# Altium PCB eRTM15_Baikal.PcbDoc (part 6 of 7) (continued)
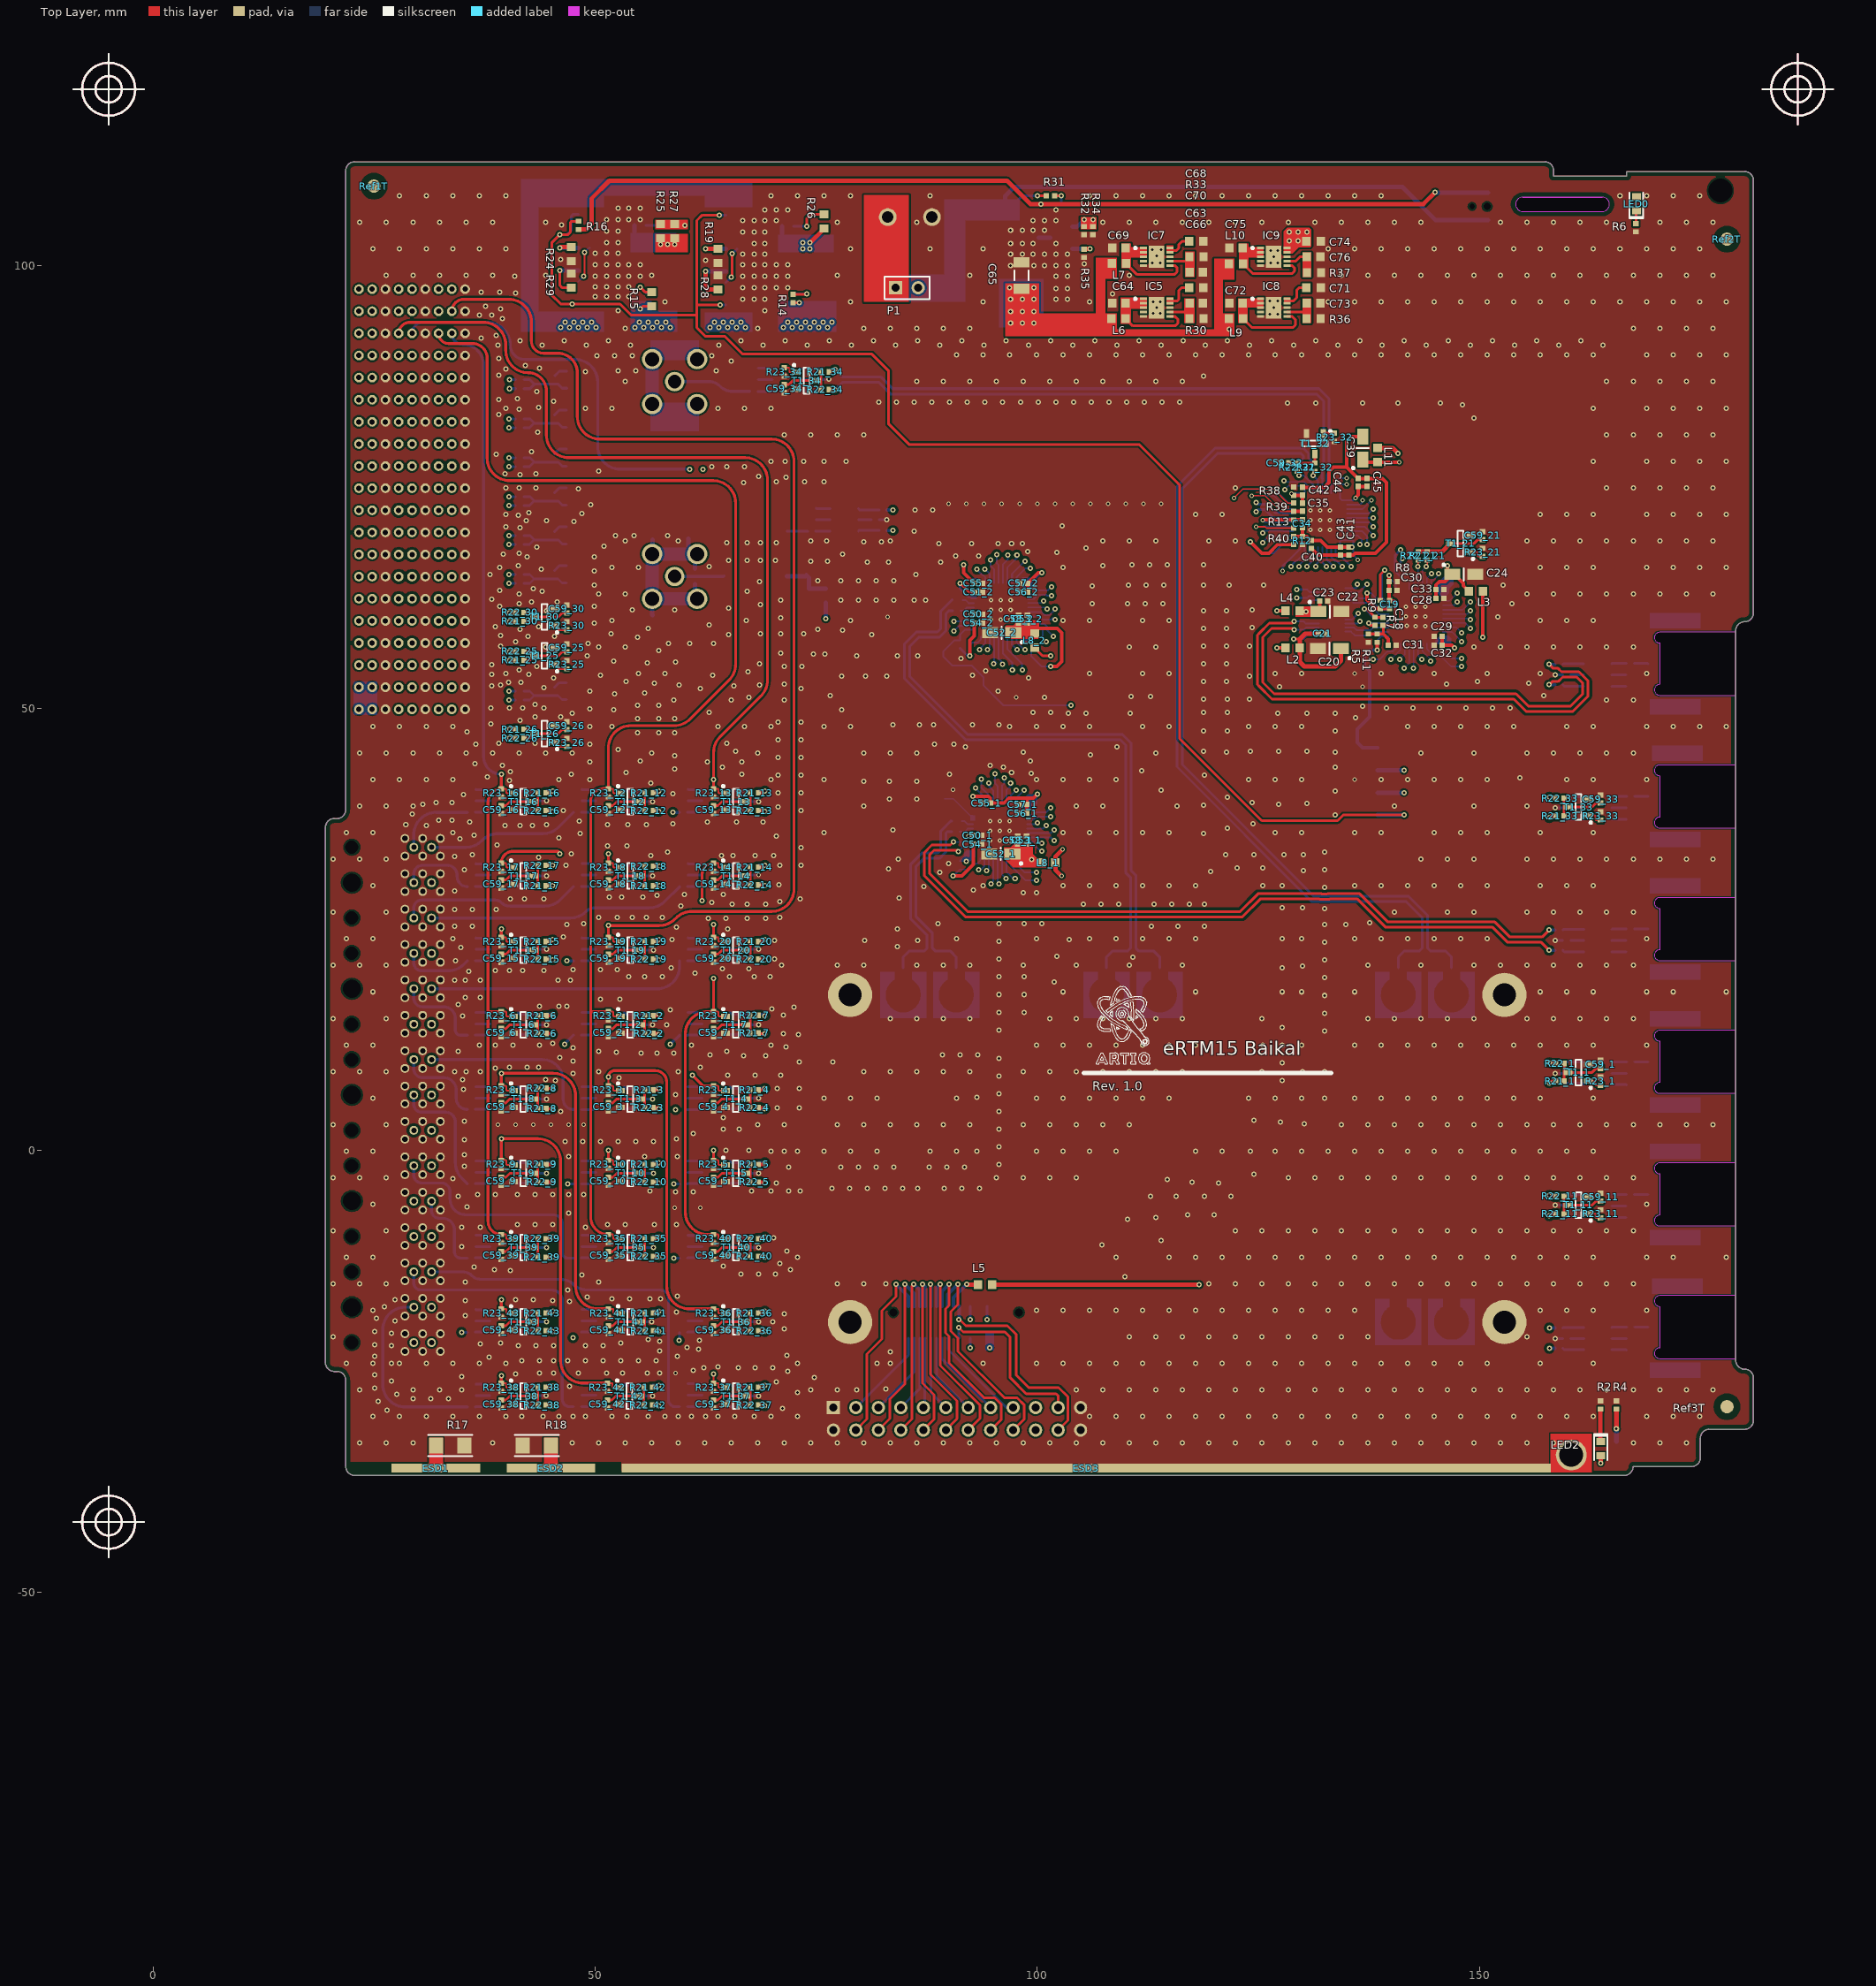
[diagram p0: Top Layer view]
## Nets (pads, with @x,y where several pads share a name; then routed paths per layer and width w, separated by ;. In a path a pad name is that pad's centre, name@x,y a point inside that pad or via, vN(x,y) a via of type N, cw(c..) or ccw(c..) an arc to the next point about the centre after c; other vN are vias at no path point) (continued)
  Bottom Layer w0.2: U2.28@135.05,70 136.7,70 137.3,69.4 v1(137.3,68.5)
  Bottom Layer w0.381: C12_31.1@56.555,-20.5 v1(57.195,-20.5)
Q2_4_P: C7_31.1 R21_41.1 U2.29 | length 166.2
  Top Layer w0.381: R21_41.1@56.57,-18.4 v1@57.1,-18.4
  RF_Layer_1 w0.16: v1(57.195,-18.2) 58.115,-19.12 62.036,-19.12 64.506,-21.59 71.12,-21.59 75.971,-16.739 75.971,-11.824 77.003,-10.792 104.219,-10.792 123.012,8.001 123.012,31.351 123.28,31.618 123.28,32.701 116.812,39.17 116.812,55.156 117.869,56.213 126.725,56.213 126.818,56.12 127.382,56.12 127.475,56.213 132.118,56.213 134.645,58.74 134.645,64.058 136.88,66.292 136.88,67.011 136.677,67.214 136.677,67.945 136.5,68.122 v1(136.5,68.5)
  Bottom Layer w0.2: U2.29@135.05,69.5 136.2,69.5 136.7,69 136.7,68.7 v1(136.5,68.5)
  Bottom Layer w0.381: C7_31.1@56.555,-18.2 v1(57.195,-18.2)
Q2_5_1_N: C12_6.1 R22_3.1 U3_1.26 | length 83.4
  Top Layer w0.381: R22_3.1@56.57,4.8 57.095,4.8 v1(57.195,4.7)
  RF_Layer_1 w0.16: v1(57.195,4.7) 56.775,5.12 56.218,5.12 55.698,5.64 54.509,5.64 53.64,6.509 53.64,16.291 55.549,18.2 71.6,18.2 73.94,20.54 73.94,26.94 78.625,31.625 80.975,31.625 84.75,35.401 84.75,37.75 85.96,38.96 96.791,38.96 98.26,37.491 98.26,36.44 98.86,35.84 101.54,35.84 v2(101.9,36.2)
  Bottom Layer w0.2: U3_1.26@98.85,35.85 101.55,35.85 v2(101.9,36.2)
  Bottom Layer w0.381: C12_6.1@56.555,4.7 v1(57.195,4.7)
Q2_5_1_P: C7_6.1 R21_3.1 U3_1.27 | length 82
  Top Layer w0.381: R21_3.1@56.57,6.8 57.06,6.8 57.195,6.935 v1(57.195,7)
  RF_Layer_1 w0.16: v1(57.195,7) 56.775,6.58 56.305,6.58 55.825,6.1 54.7,6.1 54.1,6.7 54.1,16.1 55.74,17.74 71.791,17.74 74.4,20.349 74.4,26.749 78.816,31.165 81.165,31.165 85.21,35.21 85.21,37.559 86.151,38.5 96.6,38.5 97.8,37.3 97.8,36.249 98.669,35.38 101.52,35.38 v2(101.9,35)
  Bottom Layer w0.2: U3_1.27@98.85,35.35 101.55,35.35 v2(101.9,35)
  Bottom Layer w0.381: C7_6.1@56.555,7 v1(57.195,7)
Q2_5_2_N: C12_17.1 R22_13.1 U3_2.26 | length 78.3
  Top Layer w0.381: R22_13.1@68.47,38.4 69.095,38.4 v1(69.195,38.3)
  RF_Layer_6 w0.16: v1(69.195,38.3) 68.775,38.72 68.218,38.72 67.698,39.24 66.56,39.24 65.3,40.5 65.3,43.7 63.66,45.34 57.209,45.34 55.84,46.709 55.84,50.791 60.049,55 66.3,55 68.9,57.6 90.7,57.6 92.325,59.225 97.775,59.225 98.509,59.96 100.998,59.96 102,60.962 v2(102,61.2)
  Bottom Layer w0.2: U3_2.26@98.95,60.85 100.46,60.85 100.81,60.5 101.39,60.5 101.8,60.91 101.8,61 v2(102,61.2)
  Bottom Layer w0.381: C12_17.1@68.555,38.3 v1(69.195,38.3)
Q2_5_2_P: C7_17.1 R21_13.1 U3_2.27 | length 76
  Top Layer w0.381: R21_13.1@68.47,40.4 v1@69,40.4
  RF_Layer_6 w0.16: v1(69.195,40.6) 68.675,40.08 68.218,40.08 67.838,39.7 66.751,39.7 65.76,40.691 65.76,43.891 63.851,45.8 57.4,45.8 56.3,46.9 56.3,50.6 60.24,54.54 66.491,54.54 69.091,57.14 90.891,57.14 92.516,58.765 97.965,58.765 98.7,59.5 101.5,59.5 v2(102,60)
  Bottom Layer w0.2: U3_2.27@98.95,60.35 100.253,60.35 100.603,60 101.597,60 101.798,60.202 v2(102,60)
  Bottom Layer w0.381: C7_17.1@68.555,40.6 v1(69.195,40.6)
Q2_5_N: C12_30.1 R22_36.1 U2.26 | length 175.2
  Top Layer w0.381: R22_36.1@68.47,-20.4 69.095,-20.4 v1(69.195,-20.5)
  RF_Layer_1 w0.16: v1(69.195,-20.5) 68.775,-20.08 68.223,-20.08 67.703,-19.56 65.909,-19.56 65.24,-18.891 65.24,-16.509 66.749,-15 73.14,-15 74.34,-13.8 74.34,-8.709 76.349,-6.7 104.849,-6.7 121.2,9.651 121.2,31.1 107.465,44.835 107.465,64.965 110.125,67.625 126.475,67.625 127.749,68.9 132.849,68.9 134.179,70.23 137.73,70.23 v1(138,70.5)
  Bottom Layer w0.2: U2.26@135.05,71 137.5,71 v1(138,70.5)
  Bottom Layer w0.381: C12_30.1@68.555,-20.5 v1(69.195,-20.5)
Q2_5_P: C7_30.1 R21_36.1 U2.27 | length 173.6
  Top Layer w0.381: R21_36.1@68.47,-18.4 v1@69,-18.4
  RF_Layer_1 w0.16: v1(69.195,-18.2) 68.675,-18.72 68.223,-18.72 67.843,-19.1 66.1,-19.1 65.7,-18.7 65.7,-16.7 66.94,-15.46 73.331,-15.46 74.8,-13.991 74.8,-8.9 76.54,-7.16 105.04,-7.16 121.66,9.46 121.66,31.291 107.925,45.025 107.925,64.775 110.316,67.165 126.665,67.165 127.94,68.44 133.04,68.44 134.37,69.77 137.73,69.77 v1(138,69.5)
  Bottom Layer w0.2: U2.27@135.05,70.5 137,70.5 v1(138,69.5)
  Bottom Layer w0.381: C7_30.1@68.555,-18.2 v1(69.195,-18.2)
Q2_6_1_N: C7_5.1 R22_7.1 U3_1.24 | length 55.4
  RF_Layer_6 w0.16: v1(69.2,15.2) 69.2,14.63 69.4,14.43 80.83,14.43 82.8,16.4 82.8,28.7 89.04,34.94 89.04,35.691 89.809,36.46 91.637,36.46 91.776,36.599 92.679,36.599 92.818,36.46 92.94,36.46 93.725,35.675 93.725,34.625 95.491,32.86 97.459,32.86 98.6,34.001 98.6,36.2 99.06,36.66 99.66,36.66 v1(100,37)
  Bottom Layer w0.2: U3_1.24@98.85,36.85 99.85,36.85 v1(100,37)
  Bottom Layer w0.3: C7_5.1@68.555,15.4 69.065,15.4 v1@69.2,15.265
Q2_6_1_P: C12_5.1 R21_7.1 U3_1.25 | length 58.2
  Top Layer w0.3: R21_7.1@68.47,13.2 v1(69.2,13.2)
  RF_Layer_6 w0.16: v1(69.2,13.2) 69.2,13.77 69.4,13.97 81.021,13.97 83.26,16.209 83.26,28.509 89.5,34.749 89.5,35.5 90,36 91.827,36 91.966,36.139 92.488,36.139 92.628,36 92.749,36 93.265,35.484 93.265,34.435 95.3,32.4 97.65,32.4 99.06,33.81 99.06,35.96 99.3,36.2 100.5,36.2 v1(101,36.7)
  Bottom Layer w0.2: U3_1.25@98.85,36.35 100.65,36.35 v1(101,36.7)
  Bottom Layer w0.3: C12_5.1@68.555,13.1 69.1,13.1 v1(69.2,13.2)
Q2_6_2_N: C7_16.1 R22_17.1 U3_2.24 | length 94.4
  Top Layer w0.3: R22_17.1@44.47,32.2 v1(45.195,32.2)
  RF_Layer_6 w0.16: v1(45.195,32.2) 45.195,31.405 45.4,31.2 48.14,31.2 48.94,32 48.94,33.991 50.849,35.9 59,35.9 60.5,37.4 60.5,39.78 57.94,42.34 55.009,42.34 53.44,43.909 53.44,51.291 58.649,56.5 64.8,56.5 69.725,61.425 88.075,61.425 89.979,63.33 98.47,63.33 99.7,62.1 v1(100.7,62.1)
  Bottom Layer w0.16: U3_2.24@98.95,61.85 100.45,61.85 v1(100.7,62.1)
  Bottom Layer w0.381: C7_16.1@44.555,32.2 v1(45.195,32.2)
Q2_6_2_P: C12_16.1 R21_17.1 U3_2.25 | length 95
  Top Layer w0.3: R21_17.1@44.47,29.9 v1(45.195,29.9)
  RF_Layer_6 w0.16: v1(45.195,29.9) 45.195,30.495 45.44,30.74 48.331,30.74 49.4,31.809 49.4,33.8 51.04,35.44 59.191,35.44 60.96,37.209 60.96,40.04 58.2,42.8 55.2,42.8 53.9,44.1 53.9,51.1 58.84,56.04 64.991,56.04 69.916,60.965 88.265,60.965 90.17,62.87 98.279,62.87 99.749,61.4 100.531,61.4 100.731,61.2 v1(101.1,61.2)
  Bottom Layer w0.16: U3_2.25@98.95,61.35 v1@100.95,61.35
  Bottom Layer w0.381: C12_16.1@44.555,29.9 v1(45.195,29.9)
Q2_6_N: C7_29.1 R22_40.1 U2.24 | length 143.8
  Top Layer w0.381: R22_40.1@68.47,-10 v1@69,-10
  RF_Layer_6 w0.16: v1(69.195,-9.8) 69.195,-10.295 69.6,-10.7 70.449,-10.7 71.149,-10 106.3,-10 124.1,7.8 124.1,32.1 122.34,33.86 122.34,62.791 125.009,65.46 126.059,65.46 129.499,68.9 133.049,68.9 134.14,69.991 134.14,71.391 134.979,72.23 137.73,72.23 v1(138,72.5)
  Bottom Layer w0.2: U2.24@135.05,72 137.5,72 v1(138,72.5)
  Bottom Layer w0.381: C7_29.1@68.555,-9.8 v1(69.195,-9.8)
Q2_6_P: C12_29.1 R21_40.1 U2.25 | length 143.8
  Top Layer w0.381: R21_40.1@68.47,-12 69.095,-12 v1(69.195,-12.1)
  RF_Layer_6 w0.16: v1(69.195,-12.1) 69.195,-11.565 69.6,-11.16 70.64,-11.16 71.34,-10.46 106.491,-10.46 124.56,7.609 124.56,32.291 122.8,34.051 122.8,62.6 125.2,65 126.25,65 129.69,68.44 133.24,68.44 134.6,69.8 134.6,71.2 135.17,71.77 137.73,71.77 v1(138,71.5)
  Bottom Layer w0.2: U2.25@135.05,71.5 v1(138,71.5)
  Bottom Layer w0.381: C12_29.1@68.555,-12.1 v1(69.195,-12.1)
Q2_7_1_N: C12_4.1 R22_2.1 U3_1.22 | length 72.7
  Top Layer w0.381: R22_2.1@56.57,13.2 57.095,13.2 v1(57.195,13.1)
  RF_Layer_6 w0.16: v1(57.195,13.1) 56.775,13.52 56.218,13.52 55.6,14.138 55.6,14.14 54.709,14.14 53.94,14.909 53.94,16.391 54.749,17.2 71.8,17.2 74.44,19.84 74.44,24.991 80.84,31.391 80.84,36.591 82.679,38.43 101.23,38.43 v2(101.5,38.7)
  Bottom Layer w0.2: U3_1.22@98.85,37.85 99.357,37.85 99.607,38.1 99.793,38.1 99.893,38.2 101,38.2 v2(101.5,38.7)
  Bottom Layer w0.381: C12_4.1@56.555,13.1 v1(57.195,13.1)
Q2_7_1_P: C7_4.1 R21_2.1 U3_1.23 | length 70.7
  Top Layer w0.381: R21_2.1@56.57,15.2 v1@57.1,15.2
  RF_Layer_6 w0.16: v1(57.195,15.4) 56.775,14.98 56.223,14.98 55.843,14.6 54.9,14.6 54.4,15.1 54.4,16.2 54.94,16.74 71.991,16.74 74.9,19.649 74.9,24.8 81.3,31.2 81.3,36.4 82.87,37.97 101.23,37.97 v2(101.5,37.7)
  Bottom Layer w0.2: U3_1.23@98.85,37.35 99.56,37.35 99.564,37.35 99.814,37.6 100,37.6 100.1,37.7 v2(101.5,37.7)
  Bottom Layer w0.381: C7_4.1@56.555,15.4 v1(57.195,15.4)
Q2_7_2_N: C12_15.1 R22_12.1 U3_2.22 | length 81.1
  Top Layer w0.381: R22_12.1@56.57,38.4 57.095,38.4 v1(57.195,38.3)
  RF_Layer_6 w0.16: v1(57.195,38.3) 56.775,38.72 56.218,38.72 55.598,39.34 52.009,39.34 50.34,41.009 50.34,52.031 56.909,58.6 63.649,58.6 68.479,63.43 87.309,63.43 89.339,65.46 92.478,65.46 92.918,65.02 94.382,65.02 94.422,65.06 99.161,65.06 100.791,63.43 101.33,63.43 v2(101.6,63.7)
  Bottom Layer w0.2: U3_2.22@98.95,62.85 99.457,62.85 99.907,63.3 101.197,63.3 101.199,63.299 v2(101.6,63.7)
  Bottom Layer w0.381: C12_15.1@56.555,38.3 v1(57.195,38.3)
Q2_7_2_P: C7_15.1 R21_12.1 U3_2.23 | length 79.2
  Top Layer w0.381: R21_12.1@56.57,40.4 v1@57.1,40.4
  RF_Layer_6 w0.16: v1(57.195,40.6) 56.675,40.08 56.218,40.08 55.938,39.8 52.2,39.8 50.8,41.2 50.8,51.84 57.1,58.14 63.84,58.14 68.67,62.97 87.5,62.97 89.53,65 92.288,65 92.728,64.56 94.572,64.56 94.612,64.6 98.97,64.6 100.6,62.97 101.33,62.97 v2(101.6,62.7)
  Bottom Layer w0.2: U3_2.23@98.95,62.35 99.66,62.35 99.664,62.35 100.114,62.8 100.99,62.8 101.09,62.7 v2(101.6,62.7)
  Bottom Layer w0.381: C7_15.1@56.555,40.6 v1(57.195,40.6)
Q2_7_N: C12_28.1 R22_35.1 U2.22 | length 159.6
  Top Layer w0.381: R22_35.1@56.57,-12 57.095,-12 v1(57.195,-12.1)
  RF_Layer_6 w0.16: v1(57.195,-12.1) 57.195,-11.465 57.5,-11.16 58.84,-11.16 60.94,-9.06 105.091,-9.06 122.46,8.309 122.46,30.891 120.4,32.951 120.4,64.4 122.34,66.34 126.09,66.34 128.1,68.35 128.1,68.85 129.775,70.525 129.775,73.713 129.84,73.779 129.84,74.701 129.775,74.767 129.775,74.775 129.975,74.975 132.175,74.975 133.029,74.12 135.445,74.12 135.725,74.4 136.77,74.4 137.07,74.1 137.07,73.77 v4(136.8,73.5)
  Bottom Layer w0.2: U2.22@135.05,73 136.5,73 136.8,73.3 v4(136.8,73.5)
  Bottom Layer w0.381: C12_28.1@56.555,-12.1 v1(57.195,-12.1)
Q2_7_P: C7_28.1 R21_35.1 U2.23 | length 161.3
  Top Layer w0.381: R21_35.1@56.57,-10 v1@57.1,-10
  RF_Layer_6 w0.16: v1(57.195,-9.8) 57.195,-10.395 57.5,-10.7 58.649,-10.7 60.749,-8.6 104.9,-8.6 122,8.5 122,30.7 119.94,32.76 119.94,64.591 122.149,66.8 125.899,66.8 127.64,68.541 127.64,69.041 129.315,70.715 129.315,73.904 129.38,73.969 129.38,74.511 129.315,74.576 129.315,74.965 129.784,75.435 132.365,75.435 133.22,74.58 135.255,74.58 135.535,74.86 136.961,74.86 137.53,74.291 137.53,73.77 v4(137.8,73.5)
  Bottom Layer w0.2: U2.23@135.05,72.5 136.8,72.5 v4(137.8,73.5)
  Bottom Layer w0.381: C7_28.1@56.555,-9.8 v1(57.195,-9.8)
Q2_8_1_N: C12_3.1 R22_6.1 U3_1.18 | length 86.2
  Top Layer w0.381: R22_6.1@44.47,13.2 45.095,13.2 v1(45.195,13.1)
  RF_Layer_6 w0.16: v1(45.195,13.1) 45.195,13.435 45.8,14.04 47.04,14.04 48,15 48,16.6 49.64,18.24 70.191,18.24 72.8,20.849 72.8,25.9 79.4,32.5 79.4,46.2 80,46.8 94.6,46.8 97.82,43.58 97.82,40.92 v2(97.6,40.7)
  Bottom Layer w0.2: U3_1.18@97.05,39.15 97.05,40.15 v2(97.6,40.7)
  Bottom Layer w0.381: C12_3.1@44.555,13.1 v1(45.195,13.1)
Q2_8_1_P: C7_3.1 R21_6.1 U3_1.19 | length 86.8
  Top Layer w0.381: R21_6.1@44.47,15.2 v1@45,15.2
  RF_Layer_6 w0.16: v1(45.195,15.4) 45.195,15.105 45.8,14.5 46.849,14.5 47.54,15.191 47.54,16.791 49.449,18.7 70,18.7 72.34,21.04 72.34,26.091 78.94,32.691 78.94,46.391 79.809,47.26 94.791,47.26 98.28,43.771 98.28,40.92 v2(98.5,40.7)
  Bottom Layer w0.2: U3_1.19@97.55,39.15 97.55,39.758 97.558,39.758 v2(98.5,40.7)
  Bottom Layer w0.381: C7_3.1@44.555,15.4 v1(45.195,15.4)
Q2_8_2_N: C12_14.1 R22_16.1 U3_2.18 | length 82.5
  Top Layer w0.381: R22_16.1@44.47,38.4 45.095,38.4 v1(45.195,38.3)
  RF_Layer_6 w0.16: v1(45.195,38.3) 45.195,38.915 45.5,39.22 46.971,39.22 48.56,40.809 48.56,53.26 55.2,59.9 62.051,59.9 67.451,65.3 84.051,65.3 88.251,69.5 98.6,69.5 99.7,68.4 99.7,67.2 99.1,66.6 v2(98.6,66.6)
  Bottom Layer w0.2: U3_2.18@97.15,64.15 97.15,65.15 v2(98.6,66.6)
  Bottom Layer w0.381: C12_14.1@44.555,38.3 v1(45.195,38.3)
Q2_8_2_P: C7_14.1 R21_16.1 U3_2.19 | length 83.1
  Top Layer w0.381: R21_16.1@44.47,40.4 v1@45,40.4
  RF_Layer_6 w0.16: v1(45.195,40.6) 45.195,39.985 45.5,39.68 46.78,39.68 48.1,41 48.1,53.451 55.009,60.36 61.86,60.36 67.26,65.76 83.86,65.76 88.06,69.96 98.791,69.96 100.16,68.591 100.16,67.009 99.2,66.049 v2(99.2,65.8)
  Bottom Layer w0.2: U3_2.19@97.65,64.15 97.65,64.758 97.658,64.758 98.7,65.8 v2(99.2,65.8)
  Bottom Layer w0.381: C7_14.1@44.555,40.6 v1(45.195,40.6)
Q2_8_N: C7_27.1 R22_39.1 U2.18 | length 176.8
  Top Layer w0.3: R22_39.1@44.47,-10 45,-10 v1(45.2,-9.8)
  RF_Layer_6 w0.16: v1(45.2,-9.8) 45.2,-10.52 45.4,-10.72 46.58,-10.72 47.3,-10 47.3,-8.509 48.609,-7.2 104,-7.2 119.7,8.5 119.7,29.6 117.14,32.16 117.14,66.631 117.275,66.765 118.509,68 125.7,68 126.44,68.74 126.44,71.091 127.3,71.951 127.3,73.649 126.24,74.709 126.24,76.891 127.209,77.86 133.14,77.86 v4(135,76)
  Bottom Layer w0.2: U2.18@133.25,74.3 133.25,75.115 134.135,76 v4(135,76)
  Bottom Layer w0.3: C7_27.1@44.555,-9.8 v1(45.2,-9.8)
Q2_8_P: C12_27.1 R21_39.1 U2.19 | length 175.9
  Top Layer w0.3: R21_39.1@44.47,-12.1 v1(45.2,-12.1)
  RF_Layer_6 w0.16: v1(45.2,-12.1) 45.2,-11.38 45.4,-11.18 46.771,-11.18 47.76,-10.191 47.76,-8.7 48.8,-7.66 104.191,-7.66 120.16,8.309 120.16,29.791 117.6,32.351 117.6,66.44 118.7,67.54 125.891,67.54 126.9,68.549 126.9,70.9 127.76,71.76 127.76,73.84 126.7,74.9 126.7,76.7 127.4,77.4 132.6,77.4 134.7,75.3 v4(135,75.3)
  Bottom Layer w0.2: U2.19@133.75,74.3 133.75,74.908 134.142,75.3 v4(135,75.3)
  Bottom Layer w0.3: C12_27.1@44.555,-12.1 v1(45.2,-12.1)
Q2_9_1_N: U3_1.16 | length 3.1
  Bottom Layer w0.2: U3_1.16@96.05,39.15 96.05,41.25 96.3,41.5 v2(96.3,42.1)
Q2_9_1_P: U3_1.17 | length 2.5
  Bottom Layer w0.2: U3_1.17@96.55,39.15 96.55,40.75 97,41.2 v2(97,41.5)
Q2_9_2_N: U3_2.16 | length 3.4
  Bottom Layer w0.2: U3_2.16@96.15,64.15 96.15,66.25 96.7,66.8 v2(96.7,67.3)
Q2_9_2_P: U3_2.17 | length 3.6
  Bottom Layer w0.2: U3_2.17@96.65,64.15 96.65,65.9 97.7,66.95 v2(97.7,67.3)
Q2_9_N: C12_26.1 R22_34.1 U2.16 | length 68.3
  Top Layer w0.3: R22_34.1@76.47,86 77.065,86 v1(77.115,85.95)
  Bottom Layer w0.2: U2.16@132.25,74.3 132.25,75.55 132.25,75.957
  Bottom Layer w0.3: v1(77.115,85.95) 77.965,86.8 82.1,86.8 83.4,85.5 131.6,85.5 132.4,84.7 132.4,76.849 132.2,76.649 132.2,76.007 132.25,75.957
  Bottom Layer w0.381: C12_26.1@76.48,85.9 v1@77.12,85.9
Q2_9_P: C7_26.1 R21_34.1 U2.17 | length 69.4
  Top Layer w0.3: R21_34.1@76.47,88 76.96,88 77.115,88.155 v1(77.115,88.25)
  Bottom Layer w0.2: U2.17@132.75,74.3 132.75,75.55 132.8,75.6
  Bottom Layer w0.3: v1(77.115,88.25) 77.965,87.4 82.349,87.4 83.649,86.1 131.849,86.1 133,84.949 133,82.4 133,76.6 132.8,76.4 132.8,75.6
  Bottom Layer w0.381: C7_26.1@76.48,88.2 v1@77.12,88.2
Q2_10_1_N: U3_1.14 | length 2.6
  Bottom Layer w0.2: 94.5,41.2 v2(94.525,41.512) ; 94.525,41.175 95.05,40.65 U3_1.14@95.05,39.15
Q2_10_1_P: U3_1.15 | length 3.5
  Bottom Layer w0.2: v2(95.225,42.55) 95.225,41.475 95.55,41.15 U3_1.15@95.55,39.15
Q2_10_2_N: U3_2.14 | length 2.8
  Bottom Layer w0.2: v2(94.725,66.75) 94.725,66.075 95.15,65.65 U3_2.14@95.15,64.15
Q2_10_2_P: U3_2.15 | length 3.3
  Bottom Layer w0.2: v2(95.425,67.35) 95.425,66.375 95.65,66.15 U3_2.15@95.65,64.15
Q2_10_N: C38.1 R22_32.1 U2.14 | length 3
  Bottom Layer w0.2: v1(129.6,76.3) 130.14,76.3 131.25,75.19 U2.14@131.25,74.3
Q2_10_P: C36.1 R21_32.1 U2.15 | length 2.2
  Bottom Layer w0.2: v1(131.2,76.3) 131.65,75.85 131.65,75.779 131.75,75.679 U2.15@131.75,74.3
Q2_11_1_N: C12_1.1 R22_1.1 U3_1.13 | length 104.7
  Top Layer w0.3: v1(157.91,9.9) 158.53,9.9 cw(c158.53,9.8) R22_1.1@158.63,9.8
  RF_Layer_3 w0.16: v1(93.675,41.935) 93.845,41.766 93.845,41.231 94.542,40.534 94.542,38.827 93.078,37.363 90.957,37.363 88.32,34.726 88.32,31.101 93.802,25.619 93.802,15.649 94.717,14.735 95.223,14.735 95.228,14.74 98.849,14.74 102.486,11.103 135.278,11.103 137.4,8.98 156.99,8.98 v1(157.91,9.9)
  Bottom Layer w0.2: v1(93.675,41.935) 93.675,40.992 94.55,40.117 U3_1.13@94.55,39.15
  Bottom Layer w0.3: v1@157.91,9.71 v1(157.91,9.9)
  Bottom Layer w0.381: v1(157.91,9.9) C12_1.1@158.55,9.9
Q2_11_1_P: C7_1.1 R21_1.1 U3_1.12 | length 103.3
  Top Layer w0.381: v1@158.1,7.8 R21_1.1@158.63,7.8
  RF_Layer_3 w0.16: v1(93.015,40.945) 94.082,39.878 94.082,39.017 92.888,37.823 90.767,37.823 87.86,34.917 87.86,30.91 93.342,25.428 93.342,15.459 94.526,14.275 95.413,14.275 95.418,14.28 98.658,14.28 102.296,10.643 135.087,10.643 137.21,8.52 156.99,8.52 v1(157.91,7.6)
  Bottom Layer w0.2: v1(93.015,40.945) 94.05,39.91 U3_1.12@94.05,39.15
  Bottom Layer w0.3: v1(157.91,7.6) v1@157.91,7.69
  Bottom Layer w0.381: v1(157.91,7.6) C7_1.1@158.55,7.6
Q2_11_2_N: C12_12.1 R22_11.1 U3_2.13 | length 148.8
  Top Layer w0.3: v1(157.905,-5.1) 158.53,-5.1 R22_11.1@158.63,-5.2
  RF_Layer_3 w0.16: v2(94.1,65.7) 94.1,65.34 93.86,65.1 93.86,59.06 85.6,50.8 85.6,-1.5 90.12,-6.02 157.6,-6.02 157.905,-5.715 v1(157.905,-5.1)
  Bottom Layer w0.2: v2(94.1,65.7) 94.65,65.15 U3_2.13@94.65,64.15
  Bottom Layer w0.381: v1(157.905,-5.1) C12_12.1@158.545,-5.1
Q2_11_2_P: C7_12.1 R21_11.1 U3_2.12 | length 149.7
  Top Layer w0.381: v1@158.1,-7.2 R21_11.1@158.63,-7.2
  RF_Layer_3 w0.16: v2(93.2,65.7) 93.2,65.3 93.4,65.1 93.4,59.251 85.14,50.991 85.14,-1.691 89.929,-6.48 157.6,-6.48 157.905,-6.785 v1(157.905,-7.4)
  RF_Layer_6 w0.16: v2(93.2,65.7) v2@93.2,65.825
  Bottom Layer w0.2: v2(93.2,65.7) 93.208,65.7 93.4,65.508 93.4,65.41 93.81,65 93.908,65 94.15,64.758 U3_2.12@94.15,64.15
  Bottom Layer w0.381: v1(157.905,-7.4) C7_12.1@158.545,-7.4
Q2_11_N: C12_23.1 R22_33.1 U2.12 | length 82.3
  Top Layer w0.3: v1(157.91,39.9) 158.53,39.9 R22_33.1@158.63,39.8
  RF_Layer_3 w0.16: v1(128,74.7) 127.73,74.97 126.809,74.97 125.84,75.939 125.84,79.891 127.109,81.16 137.391,81.16 139.86,78.691 139.86,69.609 138.4,68.149 138.4,60.1 140.8,57.7 145.151,57.7 146.76,56.091 146.76,54.3 149.009,52.051 155.1,52.051 156.66,50.491 156.66,39.491 157.151,39 157.6,39 157.9,39.3 157.9,39.89 v1(157.91,39.9)
  Bottom Layer w0.16: v1(128,74.7) 128.4,75.1 129.992,75.1 130.25,74.842 U2.12@130.25,74.3
  Bottom Layer w0.381: v1(157.91,39.9) C12_23.1@158.55,39.9
Q2_11_P: C7_23.1 R21_33.1 U2.13 | length 81.6
  Top Layer w0.381: v1@158.1,37.8 R21_33.1@158.63,37.8
  RF_Layer_3 w0.16: v1(127.9,75.7) 127.63,75.43 127,75.43 126.3,76.13 126.3,79.7 127.3,80.7 137.2,80.7 139.4,78.5 139.4,69.8 137.94,68.34 137.94,59.909 140.609,57.24 144.96,57.24 146.3,55.9 146.3,54.109 148.819,51.591 154.909,51.591 156.2,50.3 156.2,39.3 156.96,38.54 157.6,38.54 157.91,38.23 v1(157.91,37.6)
  Bottom Layer w0.16: v1(127.9,75.7) 127.95,75.7 127.81,75.56 130.183,75.56 130.75,74.993 U2.13@130.75,74.3
  Bottom Layer w0.381: v1(157.91,37.6) C7_23.1@158.55,37.6
REF1_N: IC1.9 U2.3 | length 62.2
  RF_Layer_1 w0.16: v1(125.5,69.8) 125.82,69.48 126.3,69.48 126.8,69.98 126.8,73.2 125.84,74.16 125.84,77.84 128.46,80.46 144.591,80.46 145.66,79.391 145.66,71.709 144.591,70.64 141.491,70.64 138.7,67.849 138.7,61.249 137.591,60.14 136.84,60.14 v1(136.5,59.8)
  Bottom Layer w0.2: v1(125.5,69.8) 125.75,70.05 127.75,70.05 127.8,70 U2.3@128.95,70 ; IC1.9@134.85,59.525 136.225,59.525 v1(136.5,59.8)
REF1_P: IC1.8 U2.2 | length 61
  RF_Layer_1 w0.16: v1(125.5,68.7) 125.82,69.02 126.491,69.02 127.26,69.789 127.26,73.391 126.3,74.351 126.3,77.649 128.651,80 144.4,80 145.2,79.2 145.2,71.9 144.4,71.1 141.3,71.1 138.24,68.04 138.24,61.44 137.4,60.6 136.4,60.6 v1(136.3,60.7)
  Bottom Layer w0.2: v1(125.5,68.7) 126.25,69.45 127.75,69.45 127.8,69.5 U2.2@128.95,69.5 ; IC1.8@134.85,59.975 135.575,59.975 v1(136.3,60.7)
REF2_N: IC2.9 U2.7 | length 56.5
  RF_Layer_6 w0.16: v1(124.75,73.25) 125.04,73.54 125.04,74.26 124.44,74.86 124.44,79.091 125.609,80.26 144.391,80.26 145.36,79.291 145.36,71.009 144.391,70.04 140.84,70.04 137.34,66.54 137.34,66.299 137,65.959 137,64.3 v1(137.3,64)
  Bottom Layer w0.2: 127.5,72.1 127.7,72.1 127.8,72 U2.7@128.95,72 ; IC2.9@134.85,63.1 136.4,63.1 v1(137.3,64)
  Bottom Layer w0.3: v1(124.75,73.25) 124.975,73.025 125.999,73.025 126.924,72.1 127.5,72.1
REF2_P: IC2.8 U2.6 | length 55.1
  RF_Layer_6 w0.16: v1(124.75,72.2) 125.5,72.95 125.5,74.451 124.9,75.051 124.9,78.9 125.8,79.8 144.2,79.8 144.9,79.1 144.9,71.2 144.2,70.5 140.649,70.5 136.88,66.731 136.88,66.489 136.54,66.149 136.54,64.34 v1(136.2,64)
  Bottom Layer w0.2: 127.5,71.5 U2.6@128.95,71.5 ; IC2.8@134.85,63.55 136.05,63.55 136.2,63.7 v1(136.2,64)
  Bottom Layer w0.3: v1(124.75,72.2) 124.975,72.425 125.75,72.425 126.675,71.5 127.5,71.5
REF4: C17_35.2 J4_15.A/1C | length 15.7
  RF_Layer_3 w0.17: J4_15.A/1C@29.5,-9.75 29.5,-10.765 ccw(c30.5,-10.765) 30.5,-11.765 33.165,-11.765 cw(c33.165,-13) 34.4,-13 34.4,-20.1 ccw(c34.9,-20.1) v2(34.9,-20.6)
  Bottom Layer w0.33: v2(34.9,-20.6) C17_35.2@35.555,-20.6
REF5: C17_34.2 J5_15.A/1B | length 22.2
  Bottom Layer w0.33: J5_15.A/1B@29.5,-17.75 28.54,-17.75 ccw(c28.54,-20.29) 26,-20.29 26,-26.49 ccw(c28.54,-26.49) 28.54,-29.03 C17_34.2@35.56,-29.03
REF6: C17_33.2 J5_15.A/1A | length 32.1
  Bottom Layer w0.33: J5_15.A/1A@29.5,-13.75 29.5,-15 ccw(c30.3,-15) 30.3,-15.8 45.1,-15.8 cw(c45.1,-17) 46.3,-17 46.3,-28.154 ccw(c47.146,-28.154) 47.146,-29 C17_33.2@47.555,-29
REF7: C17_32.2 J5_15.B/1A | length 41.1
  Bottom Layer w0.33: J5_15.B/1A@31.5,-13.75 35.014,-13.75 cw(c35.014,-15.286) 36.1,-14.2 ccw(c37.066,-13.234) 37.066,-14.6 46.151,-14.6 cw(c46.151,-16.649) 47.6,-15.2 ccw(c49.049,-13.751) 49.049,-15.8 57.4,-15.8 cw(c57.4,-16.7) 58.3,-16.7 58.3,-28.217 ccw(c59.083,-28.217) 59.083,-29 C17_32.2@59.555,-29
REF8: C17_31.2 J4_15.B/1C | length 28.4
  RF_Layer_3 w0.17: J4_15.B/1C@31.5,-9.75 35.16,-9.75 cw(c35.16,-12.29) 37.7,-12.29 37.7,-20.46 ccw(c40.24,-20.46) 40.24,-23 46.5,-23 ccw(c46.5,-22) 47.5,-22 v2(47.5,-21.2)
REF9: C17_30.2 J4_15.A/1B | length 44.7
  RF_Layer_3 w0.17: J4_15.A/1B@29.5,-5.75 29.5,-6.835 ccw(c30.4,-6.835) 30.4,-7.735 37.36,-7.735 cw(c37.36,-10.275) 39.9,-10.275 39.9,-10.86 ccw(c42.44,-10.86) 42.44,-13.4 51.71,-13.4 cw(c51.71,-15.79) 53.4,-14.1 ccw(c54.366,-13.134) 54.366,-14.5 58.7,-14.5 cw(c58.7,-16.8) 61,-16.8 61,-20 cw(c59.5,-20) v2(59.5,-21.5)
  Bottom Layer w0.33: v2(59.5,-21.5) 59.555,-21.445 C17_30.2@59.555,-20.6
REF10: C17_29.2 J4_15.B/1A | length 35.2
  RF_Layer_3 w0.17: J4_15.B/1A@31.5,-1.75 32.85,-1.75 cw(c32.85,-4.1) 35.2,-4.1 ccw(c37.1,-4.1) 37.1,-6 55.46,-6 cw(c55.46,-8.54) 58,-8.54 58,-11.3 ccw(c58.9,-11.3) v2(58.9,-12.2)
  Bottom Layer w0.33: v2(58.9,-12.2) C17_29.2@59.555,-12.2
REF11: C17_28.2 J4_15.A/1A | length 26.2
  Bottom Layer w0.33: J4_15.A/1A@29.5,-1.75 29.5,-2.8 ccw(c30.4,-2.8) 30.4,-3.7 32.6,-3.7 cw(c32.6,-4.7) 33.6,-4.7 33.6,-5.5 ccw(c35.4,-5.5) 35.4,-7.3 45.3,-7.3 cw(c45.3,-8.3) 46.3,-8.3 46.3,-11.6 ccw(c46.9,-11.6) 46.9,-12.2 C17_28.2@47.555,-12.2
REF12: C17_27.2 J4_15.B/1B | length 9.3
  Bottom Layer w0.33: J4_15.B/1B@31.5,-5.75 31.5,-6.8 ccw(c32.4,-6.8) 32.4,-7.7 32.8,-7.7 cw(c32.8,-9) 34.1,-9 34.1,-11.5 ccw(c34.8,-11.5) 34.8,-12.2 C17_27.2@35.555,-12.2
REF_CLK_IN_N: C38.2 J15.1 | length 90.5
  Bottom Layer w0.3: C38.2@129.6,77.75 130.1,78.25 130.1,78.5 129.8,78.8 120.4,78.8 116.4,74.8 116.4,43.6 131.3,28.7 141.999,28.7 144.15,26.549 144.15,22.85 144.5,22.5 146.2,22.5 146.84,21.86 J15.1@146.84,20.61
REF_CLK_IN_P: C36.2 J13.1 | length 92.5
  Bottom Layer w0.3: C36.2@131.2,77.75 130.7,78.25 130.7,78.749 130.049,79.4 120.151,79.4 115.8,75.049 115.8,43.351 131.051,28.1 141.75,28.1 143.55,26.3 143.55,22.85 143.2,22.5 141.5,22.5 140.84,21.84 J13.1@140.84,20.61
REF_IN: C17_25.2 J1.1 | length 1.5
  Bottom Layer w0.3: C17_25.2@167.54,55.03 169.02,55.03 J1.1@169.05,55
REF_LO_OUT_N: C11_2.1 J16.1 | length 67
  Bottom Layer w0.3: C11_2.1@90.45,61 90,61 89.7,60.7 89.7,58.751 89.524,58.576 88.949,58 86.6,58 85.6,57 85.6,53.549 92.149,47 109.649,47 109.824,46.824 110.6,46.049 110.6,31.649 111.15,31.099 111.15,22.85 111.5,22.5 113.2,22.5 113.84,21.86 J16.1@113.84,20.61
REF_LO_OUT_P: C25_2.1 J14.1 | length 68.2
  Bottom Layer w0.3: C25_2.1@90.401,62.249 89.1,60.949 89.1,59 88.7,58.6 86.351,58.6 85,57.249 85,53.3 91.9,46.4 109.4,46.4 110,45.8 110,31.4 110.55,30.85 110.55,22.85 110.2,22.5 108.5,22.5 107.84,21.84 J14.1@107.84,20.61
REF_OUT: C17_23.2 J3.1 | length 1.5
  Bottom Layer w0.3: C17_23.2@167.55,40 J3.1@169.05,40
RESERVED_N: J11.1
RESERVED_P: J9.1
RF_ZE: Ref1B.1 Ref1T.1 Ref2B.1 Ref2T.1 Ref3B.1 Ref3T.1
RUN: IC6.L5 R1.2 R16.2 S1.A S1.C | length 109.5
  Top Layer w0.5: R16.2@48.13,104.09 48.99,104.09 49.6,104.7 49.6,107.6 51.6,109.6 96.6,109.6 99.23,106.97 v1(100.43,106.97) 143.67,106.97 v1(145,108.3)
  Bottom Layer w0.3: v1(100.43,106.97) IC6.L5@101.45,106.97
  Bottom Layer w0.5: v1(145,108.3) 145.05,108.25 S1.C@149.2,108.25 S1.A@151,108.25
SCL: J2.22 P2.22 | length 24.3
  Top Layer w0.3: v1(91.14,-19.14) 91.23,-19.14 91.93,-19.84 96.63,-19.84 97.64,-20.85 97.64,-25.44 99.04,-26.84 102.43,-26.84 103.46,-27.87 103.46,-30.54 P2.22@102.36,-31.64
  Bottom Layer w0.4: v1@91.157,-19.123 J2.22@91.157,-17.64
SDA: J2.21 P2.21 | length 19.7
  Top Layer w0.3: v1(91.14,-20.04) 91.64,-20.54 96.34,-20.54 96.94,-21.14 96.94,-25.73 98.75,-27.54 102.14,-27.54 102.36,-27.76 P2.21@102.36,-29.1
  Bottom Layer w0.3: v1(91.14,-20.04) 91.14,-21.223 J2.21@91.157,-21.24
SIG2_N: C12_24.1 IC2.3 R10.1 | length 53.2
  RF_Layer_3 w0.16: v1(83.68,70.07) 83.68,70.68 84,71 100.449,71 108.779,62.67 129.13,62.67 v1(129.37,62.43)
  Bottom Layer w0.2: R10.1@130,62.43 130.53,62.43 130.75,62.65 IC2.3@131.85,62.65
  Bottom Layer w0.3: v1(129.37,62.43) R10.1@130,62.43
  Bottom Layer w0.381: C12_24.1@83.04,70.07 v1(83.68,70.07)
SIG2_P: C7_24.1 IC2.4 R10.2 | length 53.2
  RF_Layer_3 w0.16: v1(83.68,72.37) 83.68,71.78 84,71.46 100.64,71.46 108.97,63.13 129.13,63.13 v1(129.37,63.37)
  Bottom Layer w0.2: R10.2@130,63.37 130.53,63.37 130.8,63.1 IC2.4@131.85,63.1
  Bottom Layer w0.3: v1(129.37,63.37) R10.2@130,63.37
  Bottom Layer w0.381: C7_24.1@83.04,72.37 v1(83.68,72.37)
SingleEnded_26: C17_26.2 J8.1 | length 8.8
  Bottom Layer w0.33: J8.1@59,86.9 62.893,86.9 cw(c62.893,85.193) 64.1,86.4 ccw(c65.549,87.849) 65.549,85.8 C17_26.2@67.48,85.8
VCCN_6V0A: C61.1 C62.2 IC4.C2 IC4.D1 IC4.D2 IC4.E1 IC4.E2 J2.32 R25.2 R27.2 | length 3.2
  Bottom Layer w0.3: v1@94.332,-19.132 v1(94.34,-19.14) 94.34,-17.648 J2.32@94.332,-17.64
  Bottom Layer w0.5: 54.48,102.92 IC4.D2@54.48,103.29 IC4.C2@54.48,104.56
  other v1: 57.4,102.4 58.2,102.4 59,102.4
VCCN_12VA: C60.1 IC3.C2 IC3.D1 IC3.D2 IC3.E1 IC3.E2 J2.26 R26.2 | length 5
  Top Layer w0.5: v1(74.3,102.6) R26.2@75.9,104.2
  Bottom Layer w0.3: J2.26@92.427,-17.64 92.427,-19.127 v1(92.44,-19.14)
  Bottom Layer w0.5: IC3.D2@71.15,103.19 IC3.C2@71.15,104.46
  other v1: 73.5,101.9 74.3,101.9 73.5,102.6

## Text inside footprints (layer, text, board x,y; h text height)
J6: Drill Drawing "r0.6" at 171.586,-7.233 h1 r180; Drill Drawing "8.6" at 173.812,-3.391 h1 r180; Drill Drawing "7.1" at 176.939,-4.756 h1 r90; Mechanical 8 "2.5mm" at 177.05,-6.25 h1 r180; Mechanical 8 "3mm" at 182.1,-6.275 h1 r180
J17: Bottom Overlay "1" at 82.82,109.422 h1 r180; Bottom Overlay "2" at 87.819,109.422 h1 r180; Mechanical 14 "2" at 87.819,109.422 h1 r180; Mechanical 14 "1" at 82.82,109.422 h1 r180
J18: Drill Drawing "r0.6" at 171.586,-22.233 h1 r180; Drill Drawing "8.6" at 173.812,-18.391 h1 r180; Drill Drawing "7.1" at 176.939,-19.756 h1 r90; Mechanical 8 "2.5mm" at 177.05,-21.25 h1 r180; Mechanical 8 "3mm" at 182.1,-21.275 h1 r180
P2: Bottom Overlay "1" at 74.42,-28.592 h1.27 r180; Bottom Overlay "2" at 74.42,-31.132 h1.27 r180; Bottom Overlay "23" at 106.424,-28.592 h1.27 r180; Bottom Overlay "24" at 106.424,-31.132 h1.27 r180
SW1: Bottom Overlay "1" at 144.725,46.9 h1 r90; Mechanical 14 "1" at 144.725,46.9 h1 r90